# Altium PCB PCB1.PcbDoc
Units mm, origin at the board's own origin, x right, y up, seen from the top; angles counter-clockwise.
Board outline 35.56 x 48.26 mm, 2 copper layers (Top Layer, Bottom Layer); 10 components, 14 nets, 49 pads, 39 vias.
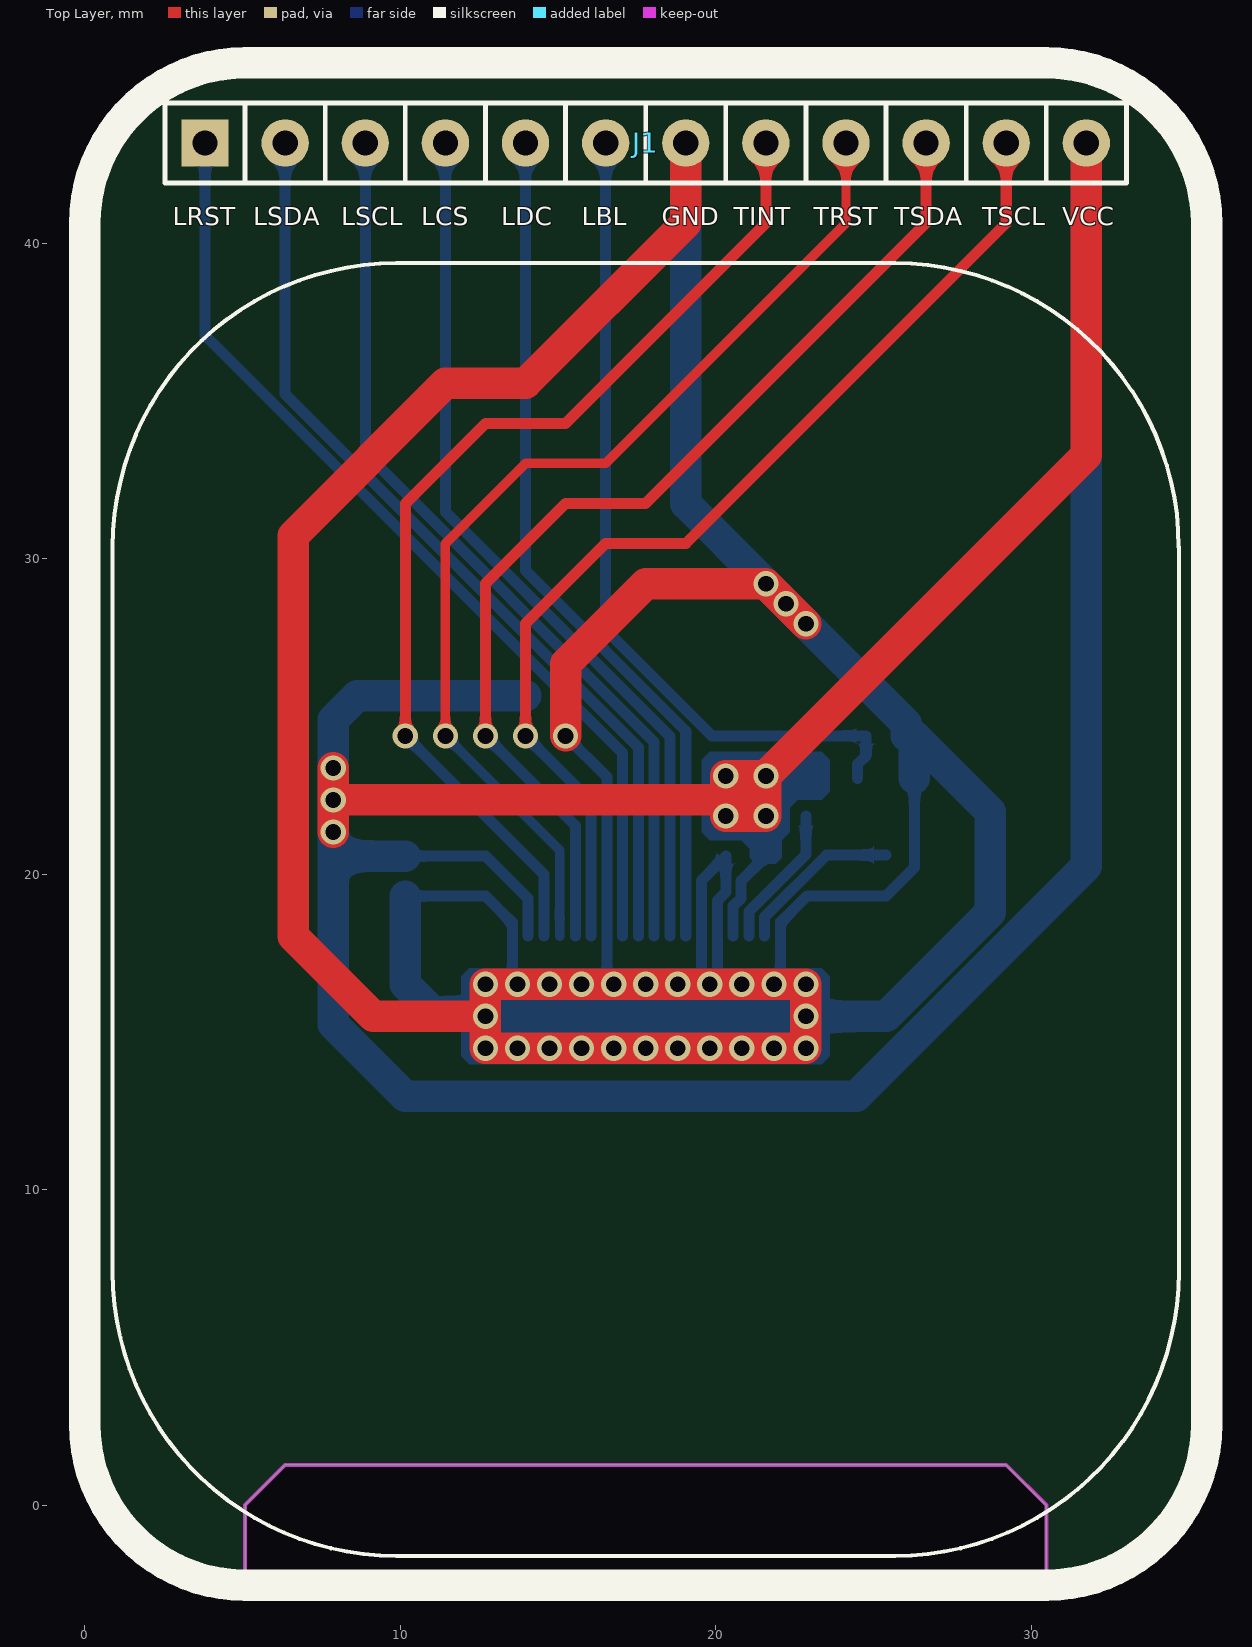
[diagram p0: Top Layer view]
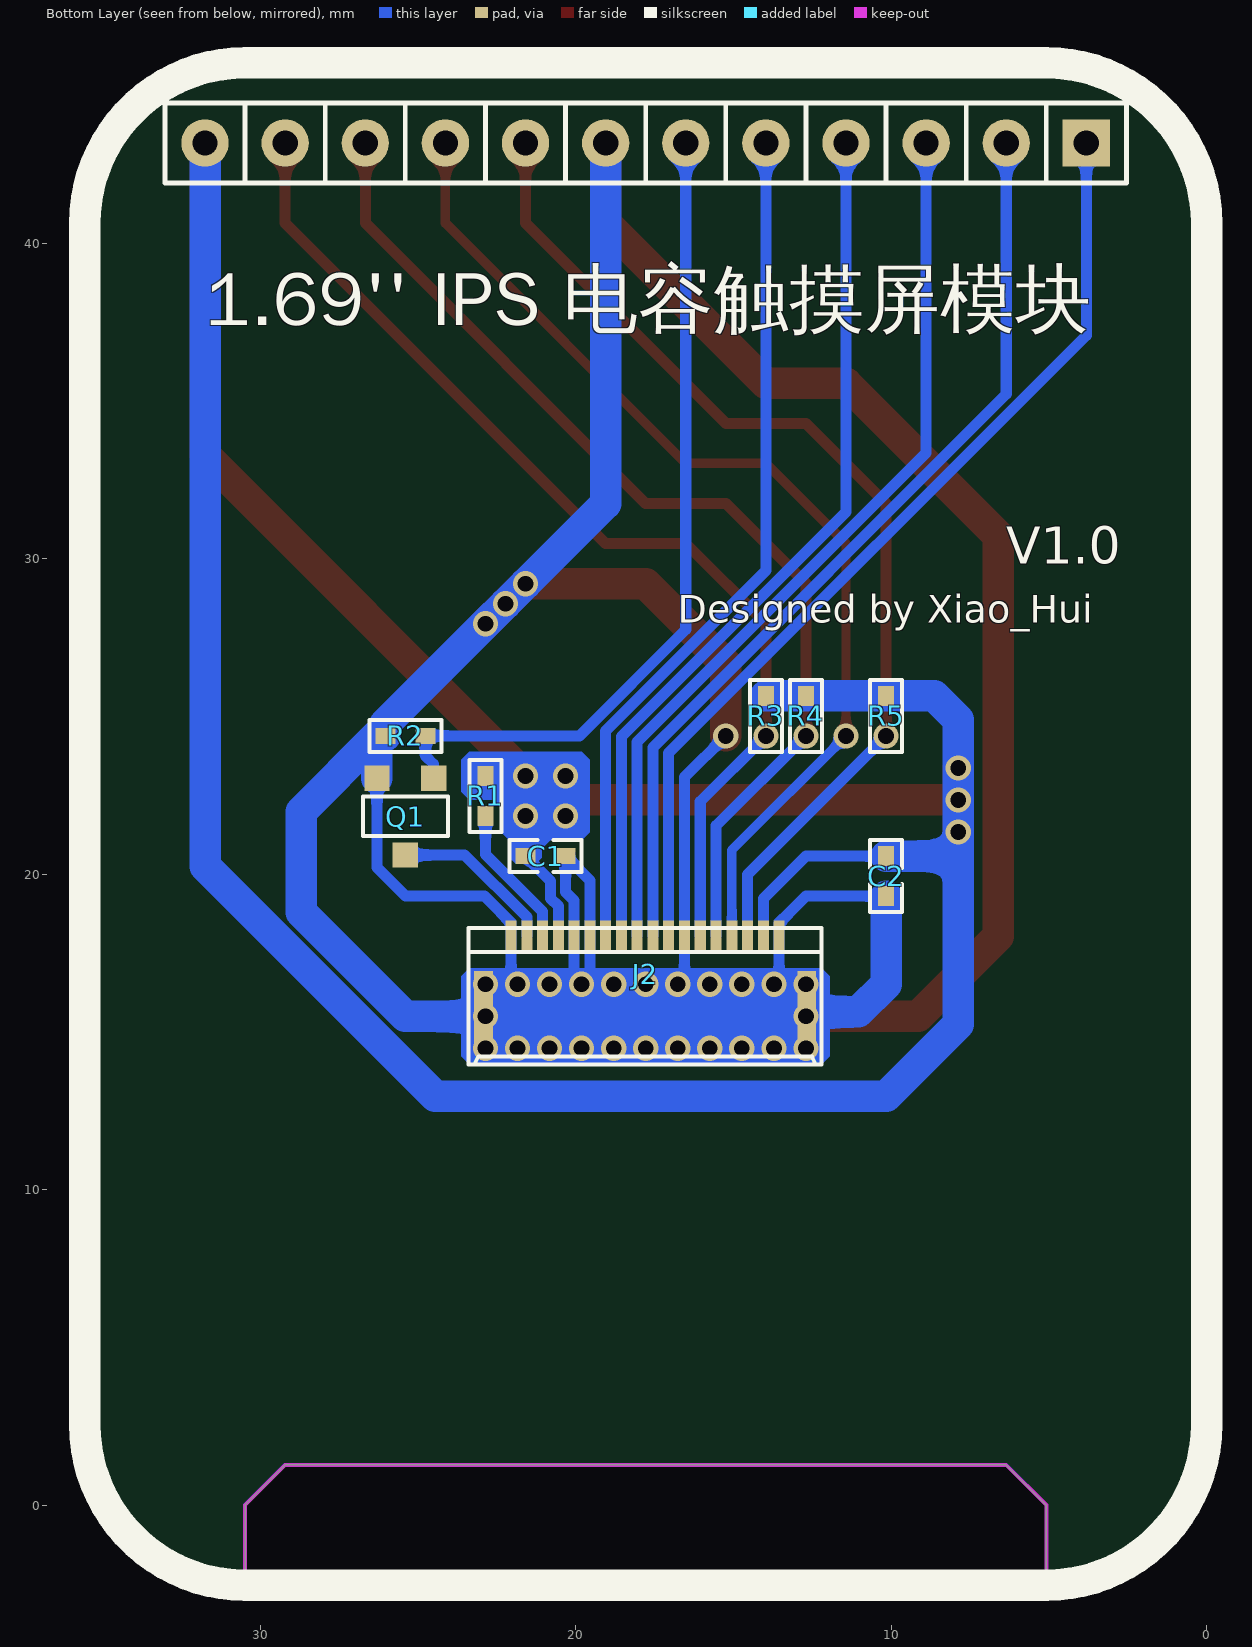
[diagram p1: Bottom Layer view, seen from below]

## Layer stack, top to bottom
Top Solder: solder mask 0.0102, Solder Resist, Dk 3.5
Top Layer: signal copper 0.0356
Dielectric 1: dielectric 0.32, FR-4, Dk 4.8
Bottom Layer: signal copper 0.0356
Bottom Solder: solder mask 0.0102, Solder Resist, Dk 3.5

## Board outline
5.08,-2.54 5.08,0 6.35,1.27 29.21,1.27 30.48,0 30.48,-2.54 ccw(c30.48,2.54) 35.56,2.54 35.56,40.64 ccw(c30.48,40.64) 30.48,45.72 5.08,45.72 ccw(c5.08,40.64) 0,40.64 0,2.54 ccw(c5.08,2.54)

## Design rules (kind name [scope] priority, off if disabled: settings)
Clearance [All] p1: gap=0.127 ignorepadtopadclearanceinfootprint=FALSE
ComponentClearance [All] p1: gap=0 collisioncheckmode=3 verticalgap=0 showdistances=FALSE
HoleSize [All] p1: absolutevalues=TRUE maxlimit=6.2 minlimit=0.3 maxpercent=80.000 minpercent=20.000
HoleToHoleClearance [All] p1: gap=0.127 allowstackedmicrovias=TRUE
MinimumSolderMaskSliver [All] p1: minsoldermaskwidth=0
PlaneClearance [All] p1: clearance=0.254
PlaneConnect [All] p1: planeconnectstyle=Relief reliefexpansion=0.127 reliefentries=4 reliefconductorwidth=0.254 reliefairgap=0.127
PolygonConnect [All] p1: connectstyle=Relief reliefconductorwidth=0.254 reliefentries=4 polygonreliefangle="90 Angle" airgapwidth=0.127
RoutingVias [All] p1: holewidth=0.5 width=0.5 viastyle="Through Hole" minholewidth=0.3 minwidth=0.3 maxholewidth=6.2 maxwidth=6.2
SilkToSilkClearance [All] p1: silktosilkclearance=0
SilkToSolderMaskClearance [IsPad] p1: minsilkscreentomaskgap=0 clearancetoexposedcopper=TRUE
SolderMaskExpansion [All] p1: expansion=0.127
Width [All] p1: maxlimit=50 minlimit=0.127 preferedwidth=0.2
22 further rules are at their usual default settings.

## Components (designator, comment, footprint, x,y, rotation, side; value= is the part's Value field where it differs from the comment)
C1 "10uF" 0402C 20.955,20.574 r0 bottom
C2 "0.1uF" 0402C 10.16,19.939 r90 bottom
J1 "CON1X12" "CON1X12 2.54MM" 17.78,43.18 r0 top
J2 "Handler 1X18" "0.5mm 18P 无锁 FPC连接座" 17.8,16.834 r0 bottom
Q1 "SI2302" SOT-23 25.4,21.844 r0 bottom
R1 "5.1R" 0402R 22.86,22.479 r270 bottom
R2 "10K" 0402R 25.4,24.384 r0 bottom
R3 "4.7K" 0402R 13.97,25.019 r270 bottom
R4 "4.7K" 0402R 12.7,25.019 r270 bottom
R5 "10K" 0402R 10.16,25.019 r270 bottom

## Footprints (in the part's own frame and the unit in brackets; to place one, negate y for a bottom-side part, rotate by r counter-clockwise, add the part's x,y. Pads: shape width x height; smd on the part's side, far side on the other; paste and mask are expansions set on the pad)
"0.5mm 18P 无锁 FPC连接座" [mm]
  rect 0.35x1 smd mask+0.06: 1(4.25,-1.2) 2(3.75,-1.2) 3(3.25,-1.2) 4(2.75,-1.2) 5(2.25,-1.2) 6(1.75,-1.2) 7(1.25,-1.2) 8(0.75,-1.2) 9(0.25,-1.2) 10(-0.25,-1.2) 11(-0.75,-1.2) 12(-1.25,-1.2) 13(-1.75,-1.2) 14(-2.25,-1.2) 15(-2.75,-1.2) 16(-3.25,-1.2) 17(-3.75,-1.2) 18(-4.25,-1.2)
  rect 0.6x2.6 smd mask+0.06: ""(-5.125,1.2) ""(5.125,1.2)
  silkscreen extent -5.6,-1.45 5.6,2.87, body extent -5.5,-1.32 5.5,2.48, height 1
0402C [mm]
  rect 0.635x0.5 smd: 1(-0.635,0) 2(0.635,0)
  silkscreen extent -1.14,-0.51 1.14,0.51, body extent -0.89,-0.25 0.5,1.27, height 0.49
0402R [mm]
  rect 0.635x0.5 smd: 1(-0.635,0) 2(0.635,0)
  silkscreen extent -1.14,-0.51 1.14,0.51, body extent -0.5,-0.25 0.5,0.25, height 0.36
"CON1X12 2.54MM" [mm] "1X12 2.54mm间距排插"
  rect 1.5x1.5 hole 0.8: 1(-13.97,0)
  round 1.5 hole 0.8: 2(-11.43,0) 3(-8.89,0) 4(-6.35,0) 5(-3.81,0) 6(-1.27,0) 7(1.27,0) 8(3.81,0) 9(6.35,0) 10(8.89,0) 11(11.43,0) 12(13.97,0)
  silkscreen extent -15.24,-1.27 15.24,1.27, body extent -15.24,-1.27 15.24,1.27, height 1.4
SOT-23 [mm]
  rect 0.8x0.8 smd: 1(-0.9,-1.195) 2(0.9,-1.195) 3(0,1.238)
  silkscreen extent -1.35,-0.62 1.35,0.64, body extent -1.5,-1.4 1.5,1.24, height 1.08

## Part data
C1 C2: library part Cap, "电容"
J1: library part "Handler 1X12", "接线端子"
J2: "接线端子"
Q1: library part NMOS, "N沟道场效应管"
R1 R2 R3 R4 R5: library part Res, "电阻"

## Via types
v1: diameter 0.8, hole 0.5, Top Layer to Bottom Layer, tented both sides, 39 vias

## Nets (pads, with @x,y where several pads share a name; then routed paths per layer and width w, separated by ;. In a path a pad name is that pad's centre, name@x,y a point inside that pad or via, vN(x,y) a via of type N, cw(c..) or ccw(c..) an arc to the next point about the centre after c; other vN are vias at no path point)
+3.3: C1.2 C2.2 J1.12 J2.4 J2.17 R1.1 R3.1 R4.1 R5.1 | length 127.8
  Top Layer w1: v1(7.874,21.336) v1(7.874,22.352) ; v1(7.874,23.368) v1(7.874,22.352) ; J1.12 31.75,33.274 v1(21.59,23.114) ; v1(7.874,22.352) 20.32,22.352 ; v1(20.32,21.844) 20.32,22.352 ; v1(20.32,21.844) 20.828,22.352 ; v1(20.32,21.844) v1(21.59,21.844) 21.59,22.479 ; 20.32,22.352 20.828,22.352 ; 20.32,22.352 v1(20.32,23.114) v1(21.59,23.114) ; 20.828,22.352 v1(21.59,23.114) ; 20.828,22.352 21.463,22.352 21.59,22.479 ; 21.59,22.479 v1(21.59,23.114)
  Bottom Layer w0.35: C2.2 12.7,20.574 14.05,19.224 J2.17 ; J2.4 20.55,18.985 20.797,19.232 20.797,19.781 C1.2 v1(21.59,21.844) R1.1
  Bottom Layer w1: C2.2 7.874,20.574 ; R3.1 R4.1 R5.1 8.636,25.654 7.874,24.892 v1(7.874,23.368) v1(7.874,22.352) v1(7.874,21.336) 7.874,20.574 ; J1.12 31.75,20.25 24.454,12.954 10.16,12.954 7.874,15.24 7.874,20.574
CT_INT: J1.8 J2.16 R5.2 | length 33.2
  Top Layer w0.35: v1(10.16,24.384) 10.16,31.75 12.7,34.29 15.24,34.29 21.59,40.64 J1.8
  Bottom Layer w0.35: v1(10.16,24.384) 14.55,19.994 J2.16
CT_RST: J1.9 J2.15 | length 33.4
  Top Layer w0.3: v1(11.43,24.384) 11.43,30.48 13.97,33.02 16.51,33.02 24.13,40.64 J1.9
  Bottom Layer w0.3: v1(11.43,24.384) 15.05,20.764 J2.15
CT_SCL: J1.11 J2.13 R3.2 | length 33.8
  Top Layer w0.35: v1(13.97,24.384) 13.97,27.94 16.51,30.48 19.05,30.48 29.21,40.64 J1.11
  Bottom Layer w0.35: v1(13.97,24.384) 16.05,22.304 J2.13
CT_SDA: J1.10 J2.14 R4.2 | length 33.6
  Top Layer w0.35: v1(12.7,24.384) 12.7,29.21 15.24,31.75 17.78,31.75 26.67,40.64 J1.10
  Bottom Layer w0.35: v1(12.7,24.384) 15.55,21.534 J2.14
GND: C1.1 C2.1 J1.7 J2. J2.1 J2.5 J2.6 J2.12 J2.18 Q1.2 R2.2 | length 150.5
  Top Layer w1: v1(15.24,24.384) 15.24,26.67 17.78,29.21 v1(21.59,29.21) v1(22.225,28.575) v1(22.86,27.94) ; J1.7 19.05,40.64 13.97,35.56 11.43,35.56 6.604,30.734 6.604,18.034 9.144,15.494 v1(12.7,15.494) ; v1(12.7,15.494) v1(12.7,16.51) v1(13.716,16.51) v1(14.732,16.51) v1(15.748,16.51) v1(16.764,16.51) v1(17.78,16.51) v1(18.796,16.51) v1(19.812,16.51) v1(20.828,16.51) v1(21.844,16.51) v1(22.86,16.51) v1(22.86,15.494) v1(22.86,14.478) v1(21.844,14.478) v1(20.828,14.478) v1(19.812,14.478) v1(18.796,14.478) v1(17.78,14.478) v1(16.764,14.478) v1(15.748,14.478) v1(14.732,14.478) v1(13.716,14.478) v1(12.7,14.478) v1(12.7,15.494)
  Bottom Layer w0.35: C2.1 12.7,19.304 13.55,18.454 J2.18 13.55,16.798 13.716,16.632 v1(13.716,16.51) ; v1(15.24,24.384) 16.55,23.074 J2.12 16.55,16.846 16.764,16.632 v1(16.764,16.51) ; v1(19.812,16.51) v1@19.812,16.632 ; v1(21.844,16.51) 21.844,16.632 22.05,16.838 J2.1 22.05,18.462 22.892,19.304 25.4,19.304 26.3,20.204 Q1.2 ; v1(22.86,15.494) 22.925,15.559 J2.@22.925,15.634 ; v1@19.812,16.632 19.55,16.894 J2.6 19.55,19.804 C1.1 20.32,19.43 20.05,19.16 J2.5 20.05,16.87 v1@19.812,16.632
  Bottom Layer w1: C2.1 10.16,16.51 11.036,15.634 J2.@12.675,15.634 ; J1.7 19.05,31.75 v1(21.59,29.21) v1(22.225,28.575) v1(22.86,27.94) 26.035,24.765 R2.2 R2.2@26.3,24.384 ; v1(22.86,15.494) 25.4,15.494 28.702,18.796 28.702,21.982 R2.2@26.3,24.384 ; Q1.2 R2.2@26.3,24.384
LCD_BL: J1.6 Q1.1 R2.1 | length 26.5
  Bottom Layer w0.35: J1.6 16.51,27.757 19.883,24.384 R2.1 24.765,23.749 24.5,23.484 Q1.1
LCD_CS: J1.4 J2.8 | length 28.1
  Bottom Layer w0.35: J1.4 11.43,38.854 11.43,31.488 18.55,24.368 J2.8
LCD_DC: J1.5 J2.7 | length 27.3
  Bottom Layer w0.35: J1.5 13.97,37.177 13.97,36.988 13.97,29.622 19.05,24.542 J2.7
LCD_RST: J1.1 J2.11 | length 30.6
  Bottom Layer w0.35: J1.1 3.81,37.084 17.05,23.844 J2.11
LCD_SCL: J1.3 J2.9 | length 28.9
  Bottom Layer w0.35: 8.89,40.64 8.89,33.353 18.05,24.193 J2.9 ; 8.89,40.719 J1.3
LCD_SDA: J1.2 J2.10 | length 29.8
  Bottom Layer w0.35: J1.2 6.35,35.219 17.55,24.019 J2.10
NetJ2_2: J2.2 Q1.3 | length 5.3
  Bottom Layer w0.35: J2.2 21.55,18.636 23.52,20.606 Q1.3
NetJ2_3: J2.3 R1.2 | length 4.6
  Bottom Layer w0.35: J2.3 21.05,18.811 22.86,20.621 R1.2

## Keep-outs
Keep-Out Layer:
  the board outline again, w0.127

## Other copper
Top Layer:
  region: 23.622,26.162
  region: 12.446,15.494 12.446,14.986
Bottom Layer:
  region net GND: 23.622,16.764 23.368,17.018 12.192,17.018 11.938,16.764 11.938,14.224 12.192,13.97 23.368,13.97 23.622,14.224
  region net +3.3: 19.812,23.876 19.558,23.622 19.558,21.336 19.812,21.082 20.828,21.082 20.828,21.052 21.082,20.798 21.247,20.798 21.273,20.824 21.273,23.558 21.59,23.876
  region net +3.3: 21.082,23.622
  region net +3.3: 22.098,21.082 22.098,20.515 21.907,20.324 21.273,20.324 21.082,20.515 21.082,21.082
  region net +3.3: 23.622,23.622 23.368,23.876 21.336,23.876 21.082,23.622 21.082,21.082 22.098,21.082 22.352,21.336 22.352,22.098 22.606,22.352 23.368,22.352 23.622,22.606

## Silkscreen, mask and mechanical layers (free items; w line width, h text height)
Top Overlay:
  lines w0.127: 0.882,30.37 cw(c9.882,30.37) 9.882,39.37 25.678,39.37 cw(c25.678,30.37) 34.678,30.37 ; 34.68,7.387 cw(c25.68,7.387) 25.68,-1.613 9.88,-1.613 cw(c9.88,7.387) 0.88,7.387 0.88,30.37 ; 34.68,30.37 34.68,7.372 ; 0.88,30.37 0.88,30.37 ; 34.68,7.372 34.68,7.372
  lines w1: 0,2.54 ccw(c5.08,2.54) 5.08,-2.54 30.48,-2.54 ccw(c30.48,2.54) 35.56,2.54 35.56,40.64 ccw(c30.48,40.64) 30.48,45.72 5.08,45.72 ccw(c5.08,40.64) 0,40.64 0,2.54
  text "LRST" at 2.794,40.386 h1
  text "LSDA" at 5.334,40.386 h1
  text "LSCL" at 8.128,40.386 h1
  text "LCS" at 10.668,40.386 h1
  text "LDC" at 13.208,40.386 h1
  text "LBL" at 15.748,40.386 h1
  text "GND" at 18.288,40.386 h1
  text "TINT" at 20.574,40.386 h1
  text "TRST" at 23.114,40.386 h1
  text "TSDA" at 25.654,40.386 h1
  text "TSCL" at 28.448,40.386 h1
  text "VCC" at 30.988,40.386 h1
Bottom Overlay:
  lines w1: 0,2.54 ccw(c5.08,2.54) 5.08,-2.54 30.48,-2.54 ccw(c30.48,2.54) 35.56,2.54 35.56,40.64 ccw(c30.48,40.64) 30.48,45.72 5.08,45.72 ccw(c5.08,40.64) 0,40.64 0,2.54
  text "1.69'' IPS 电容触摸屏模块" at 31.75,36.83 h3
  text "V1.0" at 6.35,29.464 h2
  text "Designed by Xiao_Hui" at 16.764,27.686 h1.5
Mechanical 1:
  the board outline again, w0.127